# KiCad board DAB.kicad_pcb (continued)
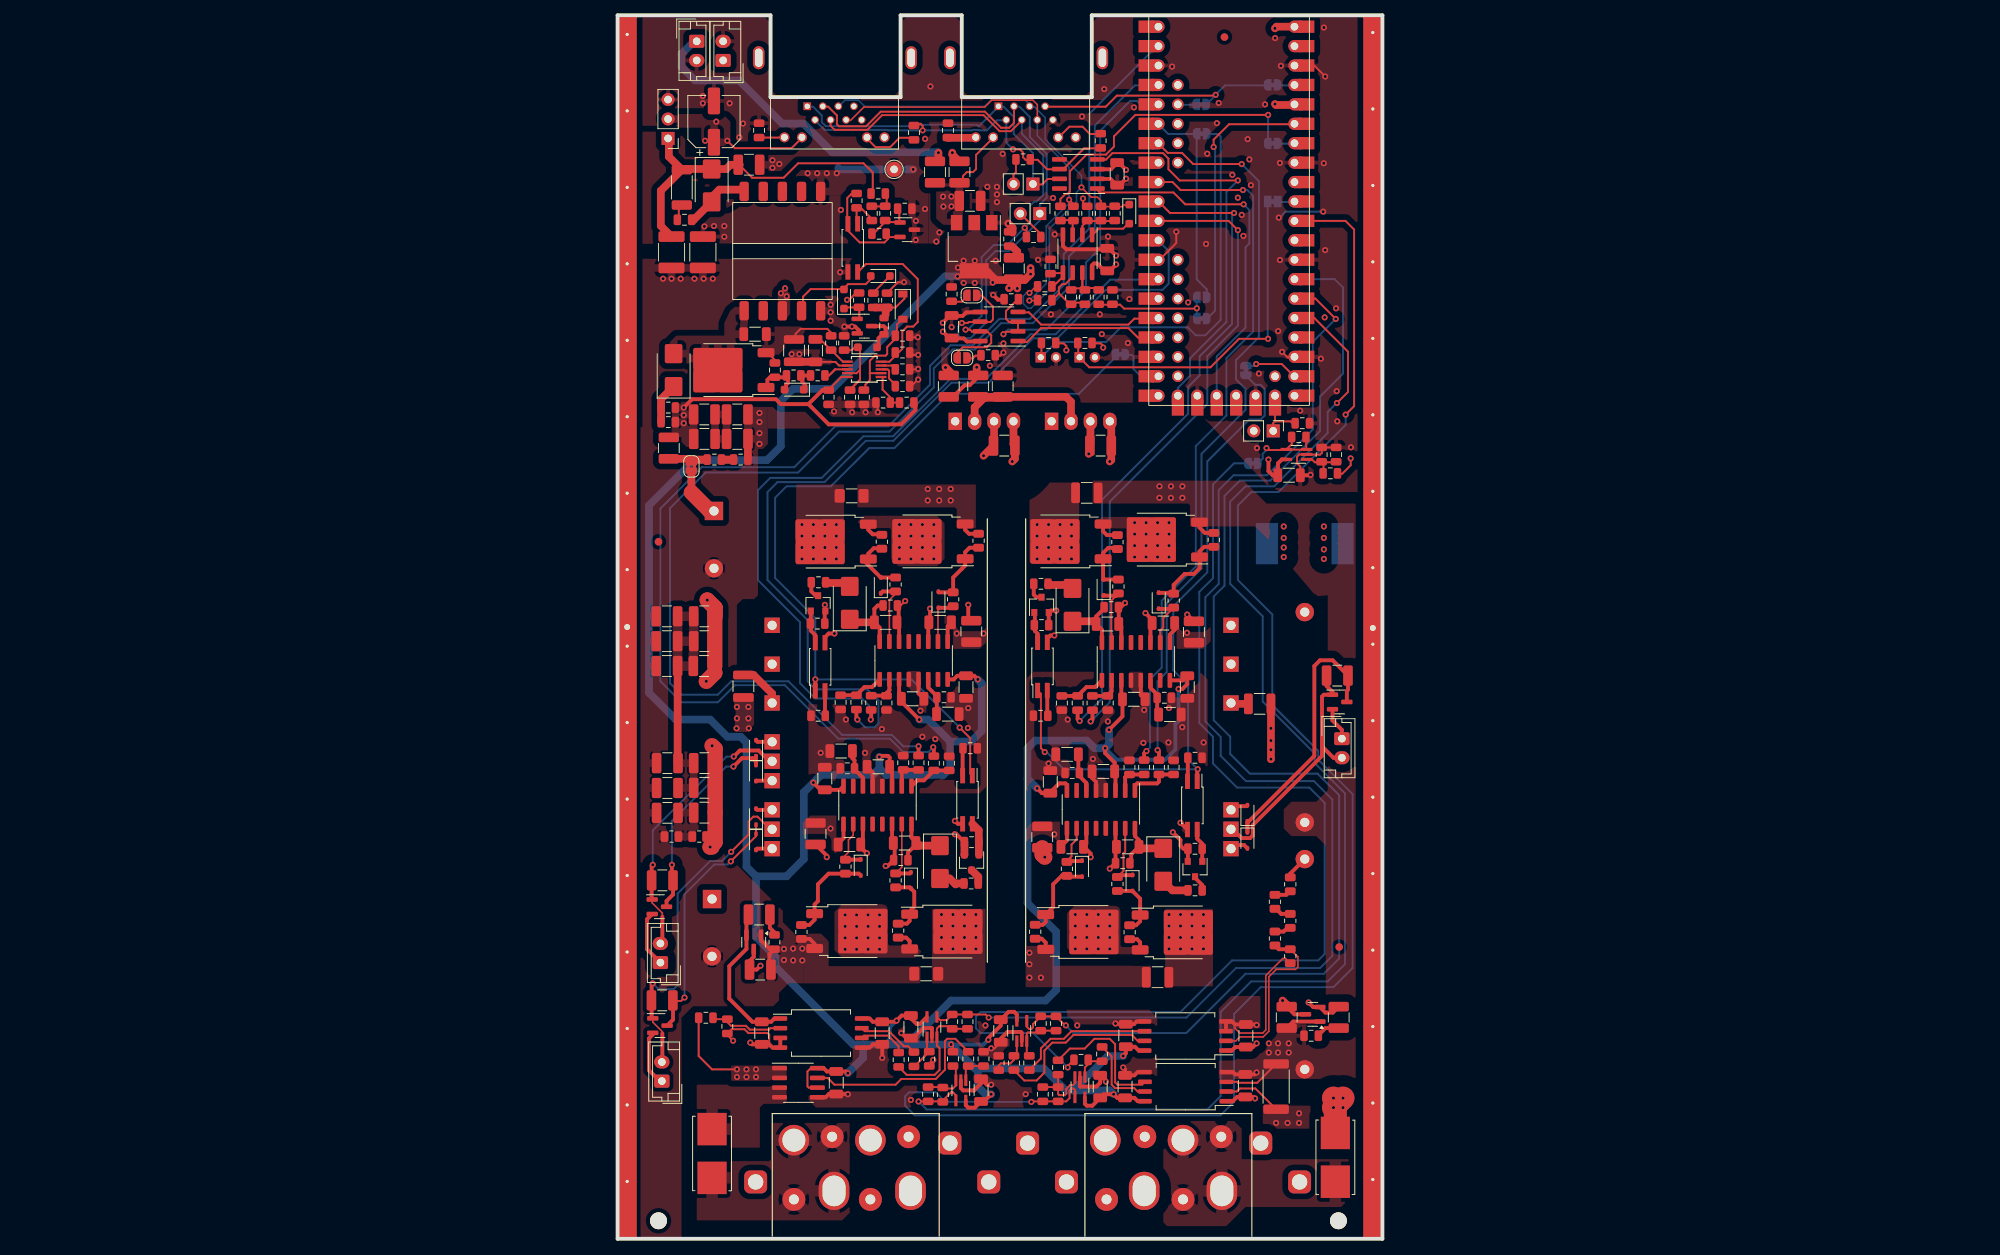
[diagram p0: board, top side]
## Routing (per net, layer and track width the routed paths; a pad name or vN(x,y) marks a point on that pad's centre or on a via; arc(x,y) is an arc through that point) (continued)
Net-(U702-DT): length 5.2
  Top w0.5: C705.1 30.7,62.84 30.98,62.56 R703.2 30.98,61.39 32.08,60.29 U702.6
Net-(U702-INA): length 5.8
  Top w0.5: U702.1 39.19,59.94 39.19,59.95 40.05,59.95 R701.2 C703.2
Net-(U702-INB): length 4.2
  Top w0.5: R702.2 39.34,61.32 C704.1 37.16,61.13 U702.2
Net-(U802-DT): length 4.9
  Top w0.5: 60.24,63.12 60.24,61.06 R803.2 60.38,60.51 61.29,59.6 U802.6
Net-(U802-INA): length 6.8
  Top w0.5: U802.1 67.64,59.24 67.95,59.55 70.55,59.55 70.78,59.78 R801.2 72.65,60.72
Net-(U802-INB): length 4.4
  Top w0.5: R802.2 66.85,60.72 66.84,60.71 66.71,60.71 66.35,60.35 66.37,60.33 U802.2
Net-(U902-DT): length 4.9
  Top w0.5: U902.6 69.67,72.05 70.55,71.17 R903.2 70.55,68.74 C905.1
Net-(U902-INA): length 6.1
  Top w0.5: C903.2 R901.2 61.3,72.15 62.45,72.15 U902.1
Net-(U902-INB): length 4.2
  Top w0.5: U902.2 64.59,71.59 64.09,71.09 C904.1 R902.2
Net-(U5001-+): length 5.8
  Top w0.25: 93.9,101.54 91.16,101.54 90.81,101.89 89.91,101.89 ; 92.08,101.61 92.29,101.39 92.29,100.04
Net-(U5003-COMP): length 22.7
  Top w0.25: 31.59,126.43 31.59,126.59 32.47,127.47 37.27,127.47 39.25,125.49 39.25,119.89 38.65,119.29 37.85,119.29 37.23,118.67 37.23,116.38 35.54,114.69 34.65,114.69
Net-(U5003-CS): length 5.2
  Top w0.25: 26.53,117.82 26.53,117.58 27.91,116.21 28.12,116.21 28.12,116.04 29.47,114.69 30.25,114.69
Net-(U5003-DRV): length 4.2
  Top w0.25: 27.31,112.89 27.64,112.89 28.44,113.69 ; 28.44,113.69 27.8,113.05 ; 28.44,113.69 30.25,113.69
Net-(U5003-RT): length 2.2
  Top w0.25: 34.65,114.19 35.81,114.19 36.51,113.49
Net-(U5003-SS): length 3.4
  Top w0.25: 34.65,113.69 35.33,113.69 35.49,113.53 35.49,112.51 36.51,111.49
Net-(U5003-UVLO): length 5.1
  Top w0.25: 37.06,109.34 35.85,109.34 35.85,109.84 34.65,111.04 34.65,112.69
Net-(U5003-VIN): length 41.7
  Top w0.25: 30.25,112.69 29.24,112.69 27.8,111.25 27.8,110.98 ; 38.95,108.39 38.94,108.41 38.94,109.29
  Top w0.5: 24.95,109.15 26.78,110.98 27.8,110.98 ; 24.95,109.15 27.6,106.5 37.06,106.5 38.95,108.39 38.95,109.33 38.94,109.34 ; 24.95,109.15 21.34,109.15 20.7,109.79 9.74,109.79 v1(8.65,108.7)
  vias: v1(8.65,107.7) v1(8.65,106.65) v1(21.35,123.64) v1(21.9,124.29) v1(22.1,123.24)
Net-(U5006-K): length 14.2
  Top w0.25: 31.45,136.67 30.6,136.67 30.03,136.1 30.03,131.93 31.66,130.29 34.89,130.29 35.34,130.74 35.34,131.43 ; 36.88,131 35.35,131
Net-(U5006-REF): length 6.2
  Top w0.25: 36.84,134.7 36.84,132.94 36.88,132.9 36.82,132.95 35,132.95 ; 35.19,133.18 33.44,131.43

## Copper pours and planes (outline as drawn; the poured copper is in the pictures)
+3.3V_{DGND} on In2.Cu: 99.88,101.62 83.55,101.62 77.81,107.36 67.42,107.39 67.43,109.37 42.12,109.21 42.23,138.69 33.85,138.74 33.85,159.94 99.95,160.09
+5V_{DGND} on Top: 50.27,124.64 42.85,124.58 42.9,131.74 46.25,131.74 46.25,133.88 50.32,133.93
+5V_{DGND} on In2.Cu: 30.75,29.95 30.75,23.35 30.35,22.95 25.15,22.95 24.95,22.75 24.95,17.15 70.55,17.15 70.55,29.95
+5V_{DGND} on In3.Cu: 99.85,101.64 83.55,101.64 77.75,107.37 67.5,107.39 67.5,109.29 42.23,109.29 42.23,133.39 68.65,133.39 68.65,160.24 99.9,160.08
+6V_{DGND} on Top: 45.65,132.74 45.51,132.59 42.56,132.59 41.65,133.43 41.65,138.02 45.65,138.02
+6V_{DGND} on Top: 14.75,142.69 10.95,142.69 10.95,145.29 5.85,145.29 5.85,147.09 14.75,147.09
+6V_{DGND} on Bottom: 14.85,137.99 45.65,137.99 45.65,134.29 41.54,134.29 41.54,134.96 11.15,134.96 11.15,147.09 14.85,147.09
DGND on Top: 40.65,130.15 30.15,130.15 30.15,136.45 17.85,136.45 17.85,142.35 40.65,142.39
DGND on Top, In1.Cu: 24.95,74.25 48.35,74.25 48.35,58.25 24.95,58.25
DGND on Top, In1.Cu: 53.35,74.15 77.15,74.15 77.15,57.75 53.35,57.75
DGND on Top, In1.Cu: 30.75,29.95 30.75,23.35 30.35,22.95 25.15,22.95 24.95,22.75 24.95,17.15 70.55,17.15 70.55,29.95
DGND on Top, In1.Cu: 99.97,97.65 85.77,97.66 76.6,107.38 67.5,107.4 67.5,109.34 42.3,109.34 42.35,130.15 -0.15,130.15 -0.13,160.04 99.92,160.07
DGND on Bottom: 99.88,-0.02 -0.12,-0.02 -0.2,159.9 99.8,159.9
DGND on In2.Cu: 2.52,159.52 19.62,159.57 19.62,148.62 33.52,148.72 33.52,138.67 13.9,138.69 13.9,129.99 2.57,129.99
DGND on In3.Cu: 68.2,133.79 42,133.79 42,129.99 29.64,129.99 29.64,136.9 13.9,136.9 13.9,129.99 -0.15,129.99 -0.15,159.99 68.2,159.99
DGND on In4.Cu: -0.15,160.15 100.1,160.15 100.1,-0.1 -0.15,-0.1
GND on Top: 31.35,98.65 31.35,95.65 44.1,95.65 44.35,95.4 44.35,92.9 46.85,92.9 46.85,98.65
GND on Top: 19.65,103.29 17.15,103.29 17.15,109.19 19.65,109.19
GND on Top: 39.6,105.95 -0.15,105.95 -0.15,128.15 15.25,128.15 28.35,128.25 39.6,128.25
GND on Top: 39.6,33.4 39.6,35.65 27.6,35.65 27.6,38.9 24.35,38.9 24.35,33.4
GND on Top: 40.15,85.55 48.35,85.55 48.35,77.15 40.15,77.15
GND on Top: 24.19,55.35 32.39,55.35 32.39,46.95 24.19,46.95
GND on Top: 2.35,106.15 18.35,106.15 18.35,84.15 17.85,83.65 16.35,83.65 15.6,82.9 15.6,48.9 21.6,42.9 21.6,41.4 23.1,39.9 26.6,39.9 27.6,38.9 27.6,34.4 26.6,33.4 22.35,33.4 21.1,32.15 21.1,31.15 20.35,30.4 9.85,30.4 8.35,28.9 8.35,0.4 8.6,0.15 3.1,0.15 2.35,0.9
GND on In1.Cu: 48.35,76.95 16.35,76.95 16.35,48.75 23.35,48.75 23.35,55.15 48.15,55.15 48.15,33.35 22.15,33.35 22.15,15.15 48.35,15.15 48.35,-0.25 2.55,-0.25 2.55,98.75 48.35,98.75
GND on In1.Cu: 39.55,97.65 1.85,97.65 1.85,128.25 39.55,128.25
GND on In2.Cu: 39.85,103.9 48.35,103.9 48.35,0.14 0.53,0.14 -0.29,128.2 15.35,128.2 15.35,135.47 28.15,135.46 28.15,128.29 39.85,128.29
GND on In3.Cu: 39.85,103.9 48.35,103.9 48.35,-0.17 -0.25,0.13 -0.25,128.2 15.35,128.2 15.35,135.47 28.15,135.46 28.15,128.29 39.85,128.29
GNDREF on Top: 69.35,85.55 77.55,85.55 77.55,77.15 69.35,77.15
GNDREF on Top: 62.1,99.15 62.1,96.15 74.6,96.15 74.85,95.9 74.85,93.15 77.35,93.15 77.35,99.15
GNDREF on Top: 73.75,54.55 77.15,54.55 77.15,44.75 73.75,44.75
GNDREF on Top: 69.75,32.9 69.75,35.7 57.1,35.7 57.1,38.3 53.35,38.3 53.35,32.9
GNDREF on Top: 74.85,99.15 81.85,99.15 84.85,96.15 97.6,96.15 97.6,20.9 78.6,20.9 78.6,30.1 80.25,31.75 92.6,31.75 92.6,51.4 91.35,52.65 88.1,52.65 87.1,53.65 87.1,56.15 88.1,57.15 91.35,57.15 92.85,58.65 92.85,84.15 91.33,84.02 84.85,91.65 83.35,93.15 74.85,93.15
GNDREF on Top: 53.35,54.55 61.55,54.55 61.55,46.35 53.35,46.35
GNDREF on In1.Cu: 53.35,76.95 85.35,76.95 85.35,48.75 77.55,48.75 77.55,54.75 53.55,54.75 53.55,33.35 78.75,33.35 78.75,20.9 97.55,20.9 97.6,96.15 84.35,96.15 81.35,99.15 53.35,99.15
GNDREF on In2.Cu, In3.Cu: 53.35,103.9 78.55,103.9 80,102.4 84.9,97.5 97.6,97.5 97.6,20.9 53.25,20.9 53.35,33.4
(no net) on Top: 12.55,138.3 6.5,138.3 6.5,132.15 8.95,132.15 8.95,130.1 -0.13,130.12 -0.13,144.79 8.85,144.79 8.85,141.49 12.56,141.49
(no net) on Top: 17.15,136.04 16.35,136.01 10.65,132.64 9.44,132.64 9.45,133.74 11,134.74 11,137.89 17.15,137.89
/High_voltage_bridge/I_{IIHigh_P} on Top: 84.35,17.4 90.85,17.4 90.85,14.4 84.35,14.4
/High_voltage_bridge/I_{IIHigh_P} on In1.Cu, In2.Cu, In3.Cu: 97.6,19.9 78.85,19.9 78.85,15.4 53.35,15.4 53.35,-0.1 97.6,-0.1
/High_voltage_bridge/SW_Node3 on Top: 62.55,94.4 73,94.4 73,88.55 66.75,88.55 66.6,88.7 66.6,92.9 62.55,92.9
/High_voltage_bridge/SW_Node3 on Bottom: 66.6,94.65 66.6,88.58 73.05,88.58 73.05,94.65
/High_voltage_bridge/SW_Node3 on Bottom: 83.35,93.65 88.1,93.65 88.1,88.4 83.35,88.4
/High_voltage_bridge/SW_Node3 on In3.Cu: 66.6,88.4 88.15,88.4 88.15,93.55 74.55,93.55 73.55,94.55 66.6,94.55
/High_voltage_bridge/SW_Node4 on Top: 69.45,37.05 58.75,37.05 58.75,43.55 65.35,43.55 65.75,43.15 65.75,38.35 65.95,38.15 69.45,38.15
/High_voltage_bridge/SW_Node4 on Bottom: 58.85,43.14 58.85,37.15 65.35,37.19 65.35,43.12
/High_voltage_bridge/V_{IIHigh} on Top: 71.6,33 71.6,43.15 77.85,43.15 77.85,33
/High_voltage_bridge/V_{IIHigh} on Top: 60.35,98.9 60.35,88.4 53.85,88.4 53.85,98.9
/High_voltage_bridge/V_{IIHigh} on Bottom: 71.35,43.15 71.37,37.08 77.8,37.08 77.8,43.15
/High_voltage_bridge/V_{IIHigh} on Bottom: 54.1,94.15 54.1,88.15 60.55,88.15 60.55,94.15
/Low_voltage_bridge/SW_Node1 on Top: 31.35,94.55 42.75,94.55 42.75,87.95 35.75,87.95 35.75,92.75 35.55,92.95 31.35,92.95
/Low_voltage_bridge/SW_Node1 on Bottom: 35.85,94.15 35.85,88.15 42.3,88.15 42.3,94.15
/Low_voltage_bridge/SW_Node1 on In3.Cu: 18.35,77.15 37.35,77.15 37.35,84.15 42.75,89.55 42.75,93.55 41.55,94.75 36.95,94.75 35.75,93.55 35.75,90.15 29.35,83.75 19.15,83.75 18.35,83.15
/Low_voltage_bridge/SW_Node2 on Top: 39.75,36.75 28.35,36.75 28.35,43.75 34.95,43.75 35.35,43.35 35.35,38.55 35.55,38.35 39.75,38.35
/Low_voltage_bridge/SW_Node2 on Top: 14.75,71.35 17.85,71.35 17.85,66.25 14.75,66.25
/Low_voltage_bridge/SW_Node2 on Bottom: 28.6,43.25 28.6,37.18 35.3,37.18 35.3,43.25
/Low_voltage_bridge/SW_Node2 on In3.Cu: 17.5,70.2 18.15,69.55 18.15,46.3 21.3,43.15 34.75,43.15 34.75,39.8 19.8,39.8 14.7,44.9 14.7,69.7 15.2,70.2
/Low_voltage_bridge/V_{IHigh} on Top: 10.35,20.15 22.1,20.15 22.1,17.9 21.85,17.65 19.1,17.65 18.6,17.15 18.6,11.9 10.35,11.9
/V_{IBus} on Top: 29.6,98.65 29.6,88.15 23.35,88.15 23.35,98.65
/V_{IBus} on Top: 22.1,22.65 22.1,20.65 14.85,20.65 14.85,22.65
/V_{IBus} on Top: 41.1,33.4 41.1,43.15 48.1,43.15 48.1,33.4
/V_{IBus} on Bottom: 23.35,94.15 23.37,88.08 29.8,88.08 29.8,94.15
/V_{IBus} on Bottom: 41.35,43.15 41.38,37.15 47.8,37.15 47.8,43.15
/V_{IBus} on In3.Cu: 29.6,93.65 29.6,90.4 16.6,90.4 15.85,91.15 11.6,91.15 10.1,89.65 10.1,86.65 13.35,83.4 13.35,35.4 15,34.17 38.49,33.95 41.45,37.81 41.36,43.02 47.66,42.93 47.56,37.51 43.06,31.16 13.19,31.15 12.39,30.47 12.33,24.4 13.35,23.65 19.35,23.65 19.35,20.65 12.28,20.65 7.28,24.37 7.35,41.91 7.35,85.15 6.35,86.15 6.35,92.15 11.1,96.9 16.48,96.9 19.54,93.65
Net-(C306-Pad2) on Top: 7.1,63.23 7.1,52.97 8.1,51.97 9.6,51.97 10.6,52.97 10.6,63.23 10.1,63.73 7.6,63.73
Net-(C306-Pad2) on Top: 7.1,82.4 7.1,73.9 7.6,73.4 10.1,73.4 10.6,73.9 10.6,82.4 10.1,82.9 7.6,82.9
Net-(C5005-Pad2) on Top: 14.86,103.35 12.16,103.35 12.15,109.2 14.85,109.2
Net-(D5004-A) on Top: 17.34,122.63 17.35,117.75 16.05,117.15 16.05,114.45 6.68,114.45 6.68,118.1 13.95,118.1 13.95,120.74 16.25,122.62
Net-(J101A-Pin_1) on Top: 10.35,10.15 19.85,10.15 20.1,10.4 20.1,15.15 30.35,15.15 30.35,3.4 29.35,2.4 10.35,2.4
Net-(J101E-Pin_1) on Top: 95.6,10.4 95.6,5.15 94.6,4.15 82.1,4.15 79.6,1.65 71.85,1.65 71.35,2.15 71.35,14.65 72.1,15.4 80.6,15.4 81.6,14.4 81.6,10.4
Net-(L101-Pad1) on Bottom: 96.35,88.4 91.6,88.4 91.6,93.65 96.35,93.65
Net-(Q5002-S) on Top: 24.98,117.32 21.93,117.32 21.93,115.63 18.85,115.63 18.85,119.3 24.98,119.3
Net-(U5003-VIN) on Top: 7.15,109.45 10.45,109.45 10.45,103.55 8.35,103.55 8.35,104.85 7.05,104.85
Net-(U5003-VIN) on Top: 22.55,120.09 20.95,120.09 20.95,124.39 22.55,124.39
Net-(U5003-VIN) on In3.Cu: 22.75,118.9 17.95,118.9 17.95,103.4 8.25,103.4 8.25,110.35 14.45,110.35 14.45,121.45 20.75,124.65 22.75,124.65
